# Altium PCB bingdundun.pcbdoc
Units mm, origin at the board's own origin, x right, y up, seen from the top; angles counter-clockwise.
Board outline 89.71 x 96.66 mm, 2 copper layers (Top Layer, Bottom Layer); 8 components, 9 nets, 0 pads, 0 vias.
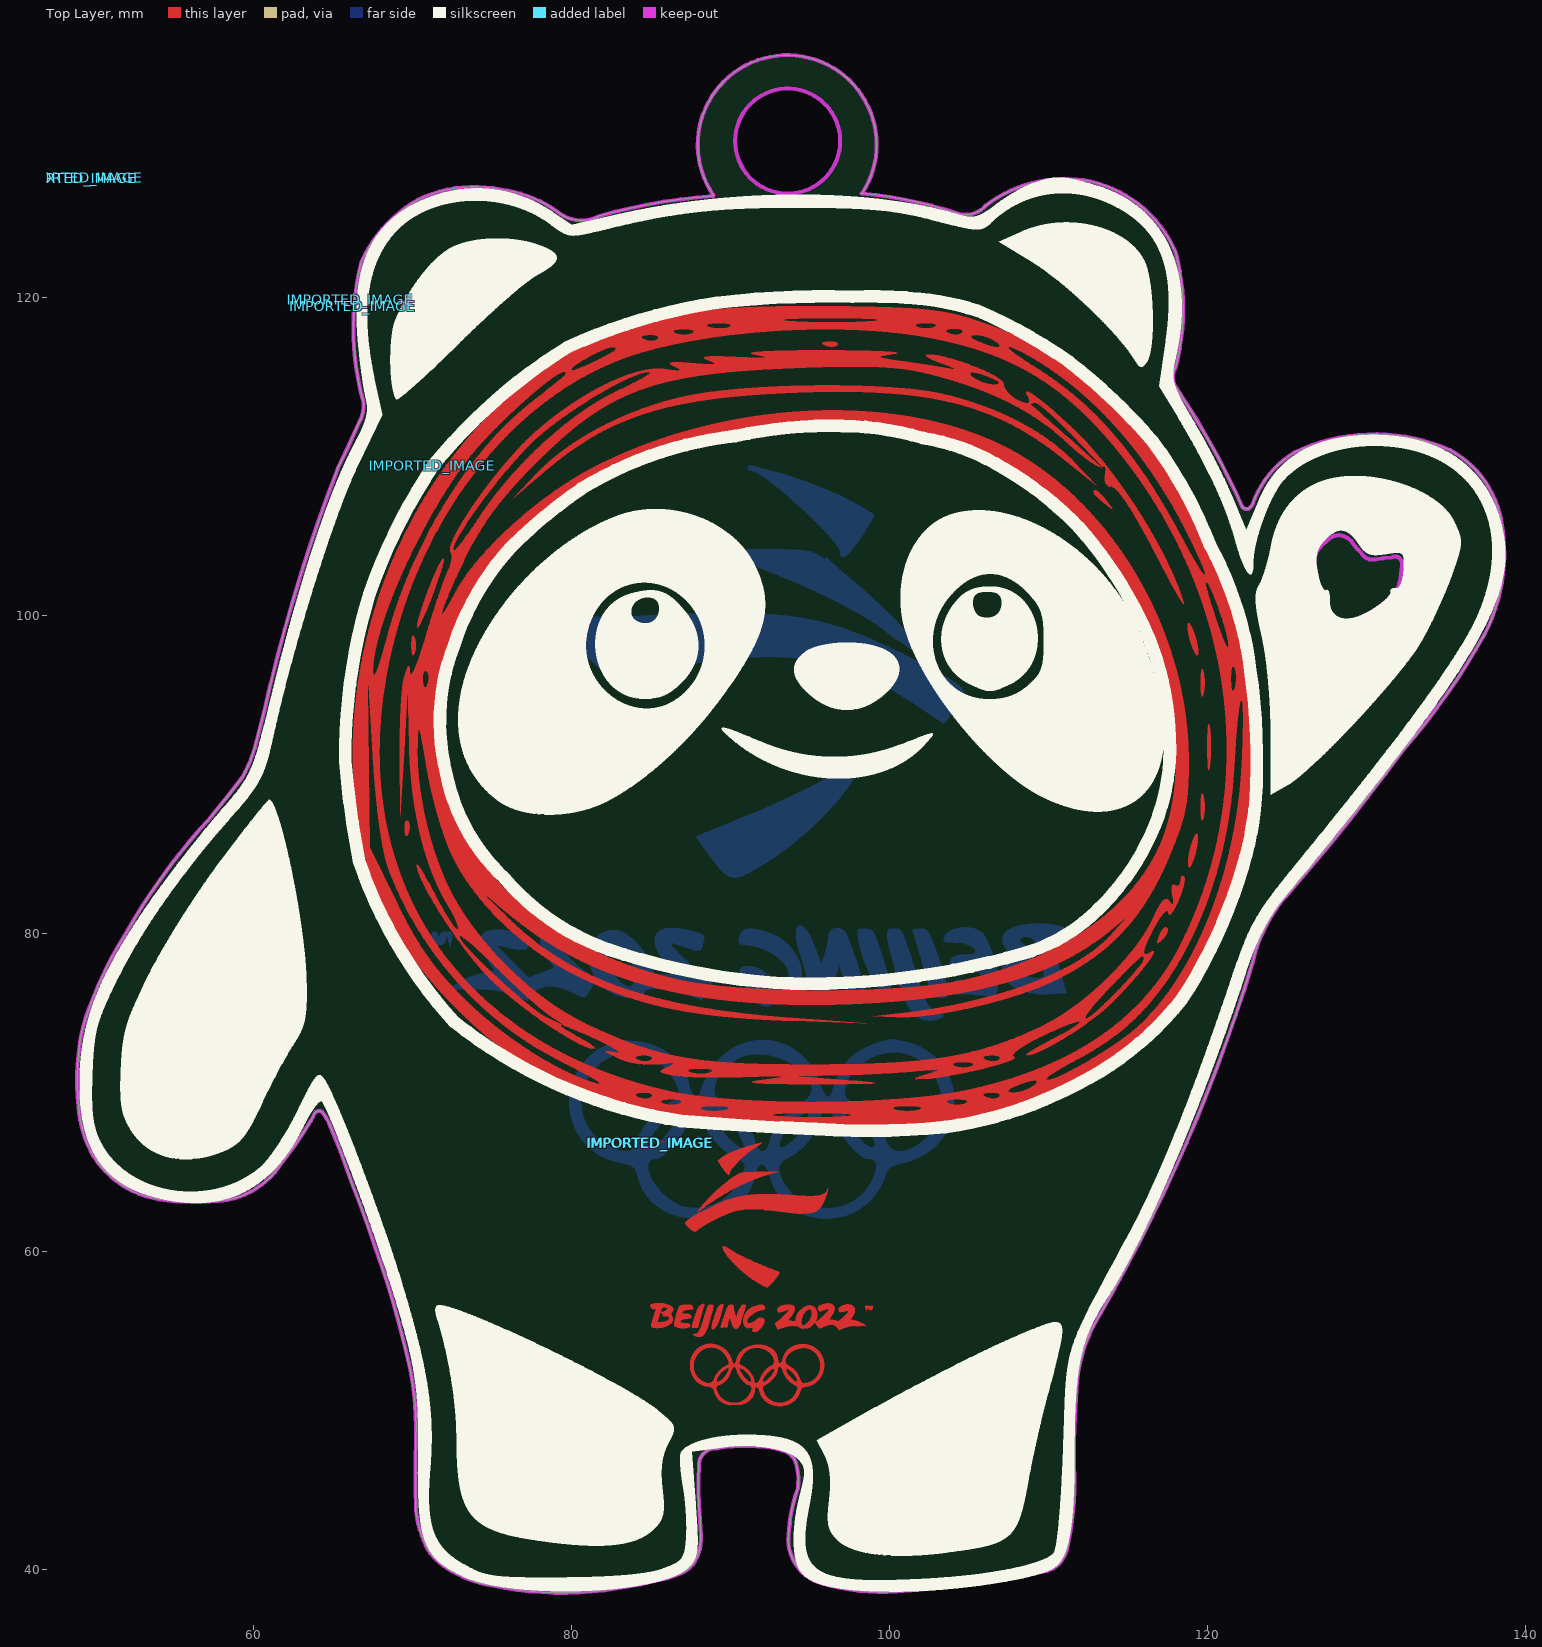
[diagram p0: Top Layer view]
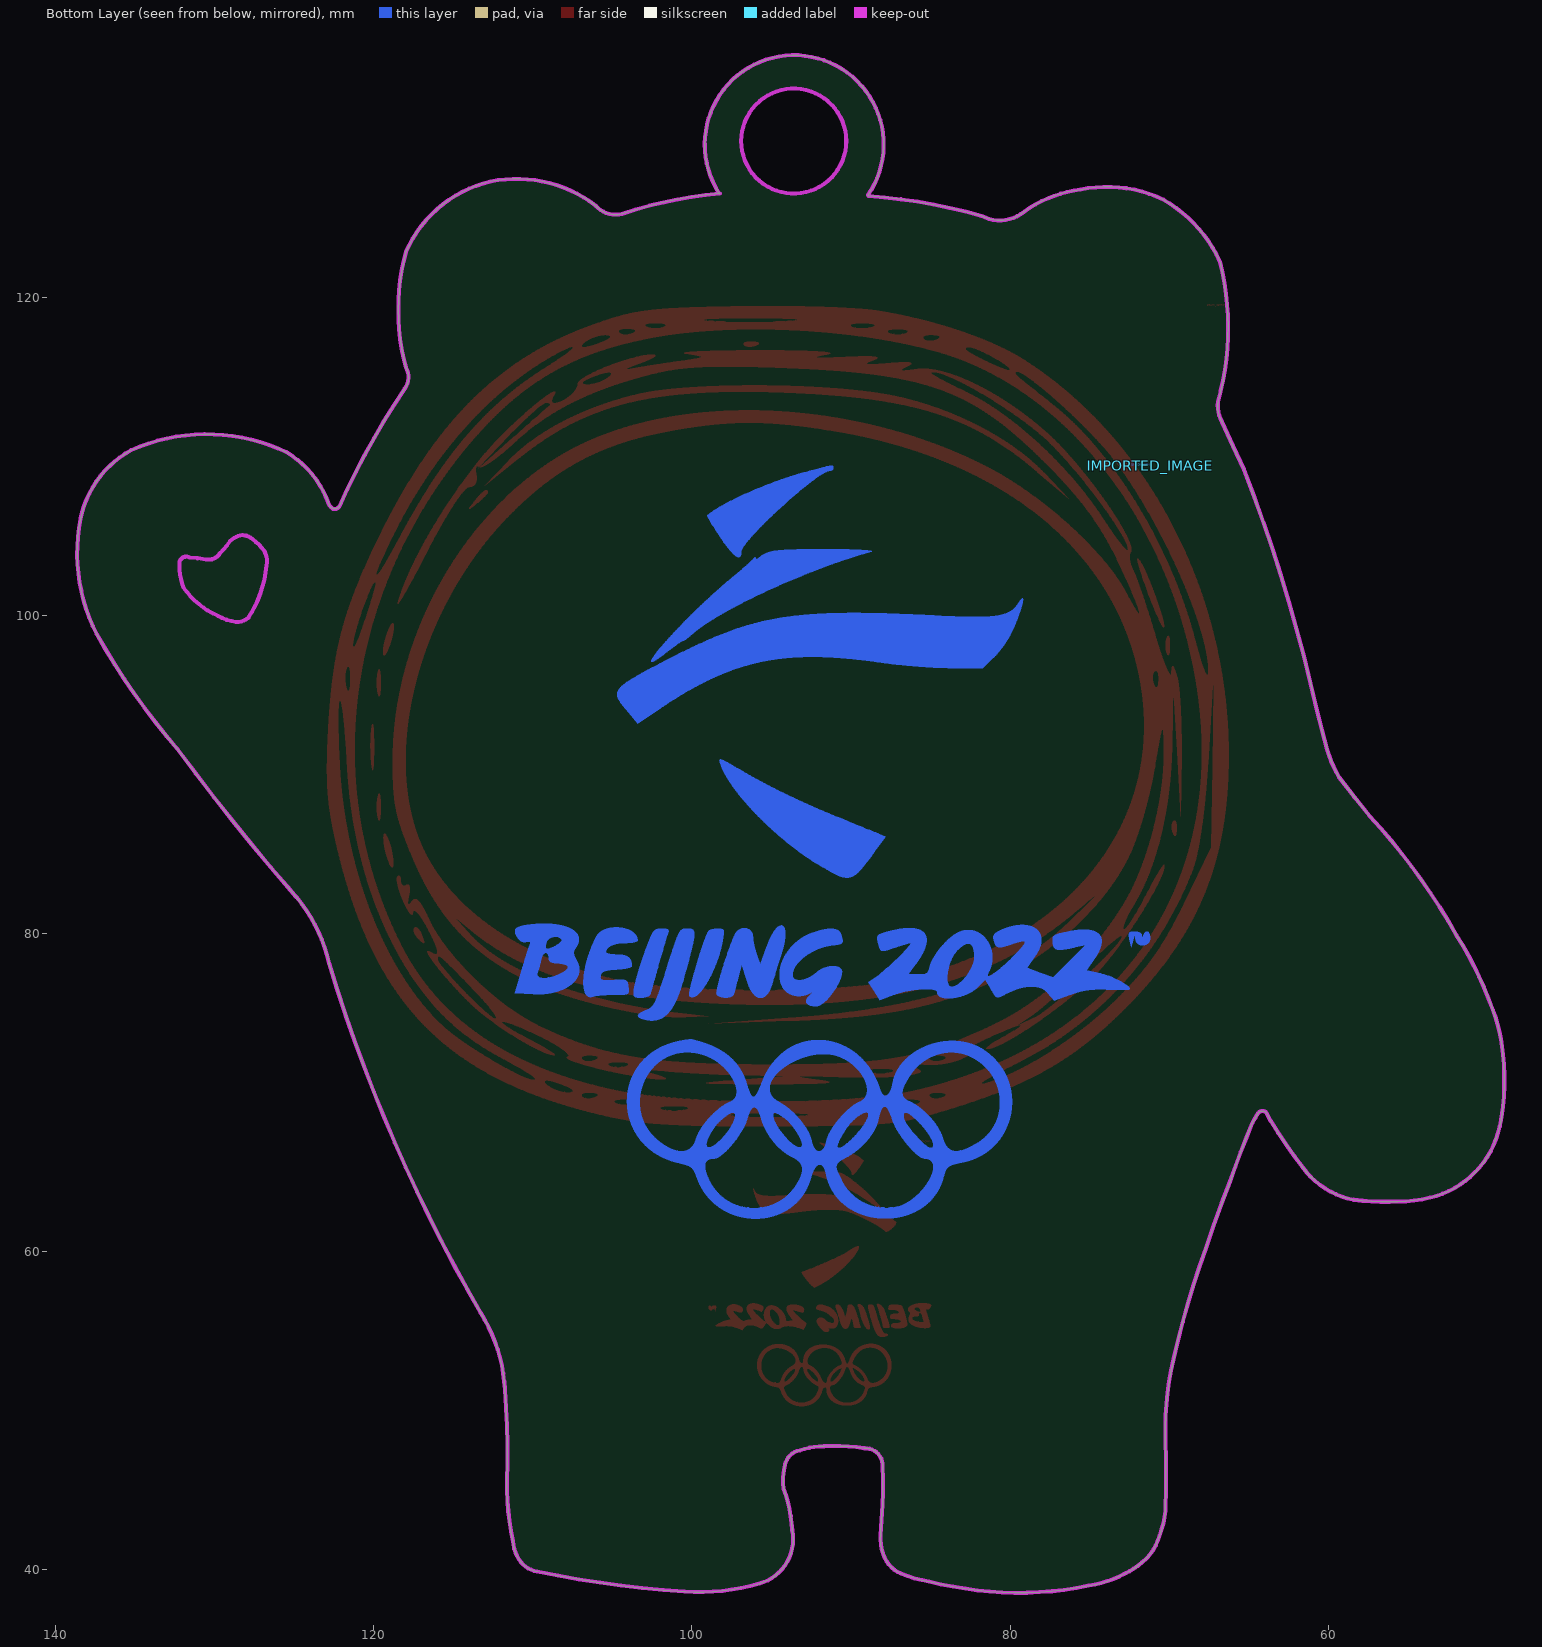
[diagram p1: Bottom Layer view, seen from below]

## Layer stack, top to bottom
Top Solder: solder mask 0.0102, Solder Resist, Dk 3.5
Top Layer: signal copper 0.0356
Dielectric1: dielectric 0.32, FR-4, Dk 4.8
Bottom Layer: signal copper 0.0356
Bottom Solder: solder mask 0.0102, Solder Resist, Dk 3.5

## Board outline
56.137,63.143 ccw(c56.409,78.881) 58.423,63.27 ccw(c57.472,68.252) 61.598,65.302 ccw(c28.098,90.773) 63.63,68.223 cw(c75.253,62.729) 63.884,68.731 cw(c64.138,68.508) 64.392,68.731 cw(c57.416,64.114) 64.773,68.096 cw(c14.882,47.065) 66.17,64.413 cw(c-1.568,37.408) 67.694,60.222 cw(c13.377,40.633) 69.726,53.237 cw(c51.443,48.859) 70.234,48.284 ccw(c172.977,45.998) 70.234,43.712 ccw(c77.069,44.514) 70.742,41.807 ccw(c73.313,42.696) 71.504,40.664 ccw(c74.71,43.892) 72.774,39.775 ccw(c76.059,45.82) 75.06,39.013 ccw(c79.49,60.356) 81.283,38.632 ccw(c78.755,65.543) 85.093,39.267 ccw(c83.813,47.11) 86.871,39.775 ccw(c86.122,41.548) 87.76,40.537 ccw(c85.377,41.956) 88.141,42.188 ccw(c55.62,40.976) 88.014,44.093 cw(c120.762,45.299) 88.014,46.506 cw(c89.097,46.566) 89.157,47.649 cw(c91.066,34.921) 91.697,47.776 cw(c91.662,42.871) 93.221,47.522 cw(c92.996,46.361) 94.11,46.76 cw(c90.236,45.631) 94.237,45.109 ccw(c102.74,41.984) 93.695,42.499 ccw(c96.535,41.931) 95.761,39.14 ccw(c99.605,52.715) 100.46,38.632 ccw(c95.944,106.072) 109.731,39.902 ccw(c109.479,41.517) 110.874,40.664 ccw(c108.795,41.992) 111.255,41.807 ccw(c93.673,45.489) 111.636,45.617 cw(c158.876,47.426) 111.763,51.332 cw(c121.553,50.894) 113.287,56.158 ccw(c23.1,108.296) 122.818,78.156 122.812,78.129 cw(c132.316,76.035) 125.225,82.701 ccw(c13.049,179.731) 132.337,91.591 ccw(c99.243,120.216) 137.417,98.83 ccw(c127.571,103.903) 138.433,106.069 ccw(c132.202,104.814) 135.258,110.387 ccw(c130.506,99.692) 125.479,110.26 ccw(c128.699,104.931) 122.812,106.958 cw(c122.213,107.302) 122.558,106.704 cw(c122.467,107.068) 122.177,106.831 ccw(c75.892,86.027) 118.061,114.255 cw(c118.998,114.979) 117.986,115.594 ccw(c104.349,119.213) 117.986,122.833 ccw(c110.912,119.768) 112.652,127.278 ccw(c111.011,119.315) 106.048,125.754 cw(c104.806,126.851) 104.397,125.246 ccw(c95.691,98.955) 98.251,126.531 98.276,126.515 ccw(c93.572,129.597) 88.937,126.412 88.913,126.377 ccw(c91.753,89.495) 81.791,125.119 cw(c80.648,127.251) 79.124,125.373 ccw(c74.646,119.201) 75.568,126.77 ccw(c73.891,118.856) 70.361,126.135 ccw(c74.676,118.63) 66.803,122.23 ccw(c83.586,118.076) 66.932,113.435 cw(c64.913,113.178) 66.678,112.165 cw(c-97.62,185.896) 65.296,109.16 65.297,109.159 ccw(c164.277,70.92) 60.709,94.004 cw(c-28.939,116.305) 60.074,91.591 cw(c52.792,93.659) 59.312,89.813 cw(c-18.114,148.98) 57.407,87.4 ccw(c87.194,59.954) 51.946,79.907 ccw(c72.062,67.215) 49.66,75.208 ccw(c58.839,71.653) 49.025,72.414 ccw(c64.049,70.763) 49.025,69.112 ccw(c56.716,69.708) 49.787,66.318 ccw(c55.006,69.181) 53.597,63.397 ccw(c55.95,74.1)
cut-out: 93.602,126.516 cw(c93.602,129.818) 90.3,129.818 cw(c93.602,129.818) 93.602,133.12 cw(c93.602,129.818) 96.904,129.818 cw(c93.602,129.818)

## Design rules (kind name [scope] priority, off if disabled: settings)
Clearance [All] p1: gap=0.254 ignorepadtopadclearanceinfootprint=FALSE except(0: Arc-Hole Track-Hole SMDPad-Hole THPad-Hole Via-Hole Fill-Hole Poly-Hole Region-Hole Text-Hole)
PolygonConnect [All] p1: connectstyle=Relief reliefconductorwidth=0.254 reliefentries=4 polygonreliefangle="90 Angle" airgapwidth=0.254
RoutingVias [All] p1: holewidth=0.711 width=1.27 viastyle="Through Hole" minholewidth=0.711 minwidth=1.27 maxholewidth=0.711 maxwidth=1.27
SolderMaskExpansion [All] p1: expansion=0.102 istentingtop=FALSE
Width [All] p1: maxlimit=0.254 minlimit=0.254 preferedwidth=0.254
30 further rules are at their usual default settings.

## Components (designator, comment, footprint, x,y, rotation, side; value= is the part's Value field where it differs from the comment)
IMPORTED_IMAGE "Comment" IMPORTED_IMAGE#1 71.247,109.396 r0 top
IMPORTED_IMAGE "Comment" IMPORTED_IMAGE#2 71.198,109.41 r0 bottom
IMPORTED_IMAGE "Comment" IMPORTED_IMAGE#1 48.737,127.478 r0 top
IMPORTED_IMAGE "Comment" IMPORTED_IMAGE#1 84.945,66.812 r0 top
IMPORTED_IMAGE "Comment" IMPORTED_IMAGE#1 66.118,119.849 r0 top
IMPORTED_IMAGE "Comment" IMPORTED_IMAGE#1 49.086,127.524 r0 top
IMPORTED_IMAGE "Comment" IMPORTED_IMAGE#3 84.993,66.863 r0 top
IMPORTED_IMAGE "Comment" IMPORTED_IMAGE#4 66.261,119.444 r0 top

## Footprints (in the part's own frame and the unit in brackets; to place one, negate y for a bottom-side part, rotate by r counter-clockwise, add the part's x,y. Pads: shape width x height; smd on the part's side, far side on the other; paste and mask are expansions set on the pad)
IMPORTED_IMAGE#1 [mm]
IMPORTED_IMAGE#2 [mm]
  Top Layer region: 3524 vertices and 9 holes, not listed, extent 8.678,36.06 32.887,47.328
  Top Layer region: 385 vertices and 0 holes, not listed, extent 28.652,29.099 32.193,34.878
  Top Layer region: 941 vertices and 0 holes, not listed, extent 19.333,29.105 23.297,33.983
  Top Layer region: 2339 vertices and 1 holes, not listed, extent 1.272,28.866 17.705,33.642
  Top Layer region: 621 vertices and 0 holes, not listed, extent 22.929,28.901 27.259,33.456
  Top Layer region: 296 vertices and 0 holes, not listed, extent 30.271,29.099 32.473,33.446
  Top Layer region: 290 vertices and 0 holes, not listed, extent 26.793,29.101 28.981,33.405
  Top Layer region: 840 vertices and 0 holes, not listed, extent 32.217,29.021 35.625,33.4
  Top Layer region: 794 vertices and 2 holes, not listed, extent 35.879,28.787 39.95,33.23
  Top Layer region: 340 vertices and 0 holes, not listed, extent 0,29.28 1.336,30.275
  Top Layer region: 524 vertices and 0 holes, not listed, extent 16.63,18.465 27.07,25.893
  Top Layer region: 858 vertices and 0 holes, not listed, extent 7.989,8.342 33.502,16.21
  Top Layer region: 727 vertices and 0 holes, not listed, extent 17.502,5.243 31.359,12.329
  Top Layer region: 394 vertices and 0 holes, not listed, extent 19.91,-0.01 27.842,5.746
IMPORTED_IMAGE#3 [mm]
  Top Layer region: 1616 vertices and 9 holes, not listed, extent 2.471,-16.567 10.907,-12.651
  Top Layer region: 224 vertices and 0 holes, not listed, extent 2.684,-12.209 3.935,-10.192
  Top Layer region: 450 vertices and 0 holes, not listed, extent 5.821,-11.901 7.195,-10.195
  Top Layer region: 1204 vertices and 1 holes, not listed, extent 7.831,-11.782 13.514,-10.111
  Top Layer region: 3.903,-11.744 3.896,-11.744 3.888,-11.743 3.881,-11.741 3.874,-11.738 3.868,-11.733 3.862,-11.728 3.856,-11.722 3.851,-11.716 3.846,-11.708 3.842,-11.699 3.838,-11.689 3.834,-11.677 3.831,-11.665 3.828,-11.652 3.826,-11.638 3.824,-11.622 3.823,-11.606 3.823,-11.588 3.822,-11.57 3.823,-11.564 3.823,-11.558 3.824,-11.551 3.825,-11.543 3.826,-11.535 3.828,-11.526 3.83,-11.516 3.834,-11.494 3.84,-11.47 3.846,-11.443 3.854,-11.414 3.862,-11.383 3.871,-11.35 3.88,-11.316 3.891,-11.279 3.902,-11.242 3.913,-11.203 3.925,-11.163 3.938,-11.122 3.951,-11.081 3.964,-11.038 3.978,-10.996 3.992,-10.953 4.006,-10.91 4.021,-10.867 4.035,-10.824 4.05,-10.782 4.064,-10.74 4.079,-10.699 4.093,-10.659 4.108,-10.62 4.122,-10.582 4.129,-10.563 4.136,-10.545 4.142,-10.528 4.149,-10.51 4.156,-10.493 4.162,-10.477 4.169,-10.461 4.181,-10.435 4.193,-10.41 4.207,-10.385 4.222,-10.362 4.239,-10.339 4.255,-10.318 4.273,-10.298 4.291,-10.279 4.309,-10.261 4.328,-10.245 4.347,-10.229 4.366,-10.215 4.385,-10.203 4.404,-10.192 4.422,-10.183 4.44,-10.175 4.457,-10.168 4.474,-10.164 4.49,-10.161 4.505,-10.16 4.518,-10.161 4.531,-10.163 4.542,-10.168 4.552,-10.174 4.561,-10.183 4.567,-10.193 4.572,-10.206 4.575,-10.221 4.576,-10.238 4.574,-10.257 4.57,-10.279 4.564,-10.303 4.532,-10.412 4.474,-10.613 4.399,-10.874 4.354,-11.031 4.346,-11.058 4.338,-11.085 4.329,-11.111 4.321,-11.137 4.312,-11.163 4.303,-11.188 4.293,-11.213 4.283,-11.237 4.274,-11.261 4.264,-11.285 4.253,-11.308 4.243,-11.331 4.233,-11.353 4.222,-11.375 4.211,-11.396 4.201,-11.417 4.19,-11.437 4.179,-11.457 4.168,-11.476 4.157,-11.495 4.146,-11.513 4.134,-11.531 4.123,-11.548 4.112,-11.564 4.101,-11.58 4.09,-11.595 4.079,-11.609 4.068,-11.623 4.057,-11.636 4.046,-11.649 4.036,-11.661 4.025,-11.672 4.015,-11.682 4.004,-11.692 3.994,-11.7 3.984,-11.708 3.974,-11.716 3.964,-11.722 3.955,-11.728 3.946,-11.733 3.937,-11.737 3.928,-11.74 3.919,-11.742 3.911,-11.744 3.903,-11.744
  Top Layer region: 320 vertices and 0 holes, not listed, extent 4.409,-11.697 5.968,-10.192
  Top Layer region: 328 vertices and 0 holes, not listed, extent 1.483,-11.672 2.666,-10.193
  Top Layer region: 258 vertices and 2 holes, not listed, extent -0.022,-11.657 1.424,-10.095
  Top Layer region: 2.783,-11.649 2.749,-11.649 2.719,-11.648 2.692,-11.646 2.669,-11.644 2.65,-11.641 2.633,-11.637 2.619,-11.632 2.608,-11.625 2.6,-11.617 2.594,-11.607 2.59,-11.595 2.589,-11.582 2.589,-11.566 2.591,-11.549 2.594,-11.529 2.599,-11.506 2.604,-11.482 2.61,-11.456 2.617,-11.429 2.625,-11.4 2.633,-11.371 2.641,-11.34 2.65,-11.308 2.659,-11.276 2.669,-11.242 2.679,-11.208 2.69,-11.173 2.701,-11.138 2.712,-11.102 2.724,-11.066 2.735,-11.03 2.747,-10.993 2.759,-10.956 2.772,-10.92 2.784,-10.883 2.797,-10.847 2.809,-10.811 2.822,-10.775 2.834,-10.74 2.847,-10.706 2.859,-10.672 2.872,-10.639 2.884,-10.606 2.896,-10.575 2.908,-10.545 2.92,-10.516 2.931,-10.488 2.943,-10.461 2.952,-10.44 2.963,-10.42 2.975,-10.4 2.989,-10.38 3.003,-10.361 3.018,-10.341 3.035,-10.323 3.052,-10.305 3.069,-10.287 3.087,-10.27 3.106,-10.254 3.124,-10.239 3.143,-10.225 3.162,-10.211 3.181,-10.199 3.2,-10.188 3.218,-10.177 3.236,-10.168 3.253,-10.161 3.27,-10.154 3.286,-10.149 3.301,-10.146 3.315,-10.144 3.328,-10.144 3.339,-10.145 3.35,-10.148 3.359,-10.153 3.366,-10.16 3.372,-10.169 3.376,-10.18 3.377,-10.193 3.377,-10.208 3.373,-10.223 3.36,-10.267 3.339,-10.336 3.311,-10.427 3.277,-10.535 3.239,-10.658 3.202,-10.776 3.187,-10.822 3.168,-10.884 3.149,-10.945 3.131,-11.005 3.114,-11.064 3.097,-11.121 3.082,-11.176 3.067,-11.228 3.054,-11.278 3.042,-11.325 3.031,-11.369 3.021,-11.408 3.013,-11.443 3.007,-11.474 3.002,-11.5 2.999,-11.52 2.998,-11.535 2.998,-11.543 2.998,-11.55 2.997,-11.558 2.996,-11.565 2.994,-11.571 2.993,-11.578 2.991,-11.584 2.988,-11.589 2.985,-11.595 2.982,-11.6 2.978,-11.605 2.974,-11.609 2.969,-11.613 2.964,-11.617 2.959,-11.621 2.953,-11.625 2.946,-11.628 2.939,-11.631 2.932,-11.633 2.924,-11.636 2.915,-11.638 2.906,-11.64 2.896,-11.642 2.886,-11.643 2.875,-11.645 2.864,-11.646 2.852,-11.647 2.839,-11.647 2.826,-11.648 2.812,-11.648 2.798,-11.649 2.783,-11.649
  Top Layer region: 13.583,-10.445 13.538,-10.604 13.503,-10.429 13.498,-10.403 13.494,-10.379 13.491,-10.357 13.49,-10.339 13.49,-10.322 13.492,-10.308 13.496,-10.296 13.501,-10.286 13.508,-10.277 13.517,-10.27 13.528,-10.265 13.541,-10.261 13.557,-10.258 13.575,-10.256 13.595,-10.255 13.618,-10.255 13.648,-10.257 13.677,-10.261 13.702,-10.269 13.725,-10.278 13.744,-10.29 13.759,-10.304 13.769,-10.318 13.773,-10.334 13.774,-10.355 13.777,-10.37 13.779,-10.379 13.783,-10.382 13.788,-10.379 13.794,-10.37 13.801,-10.355 13.81,-10.334 13.819,-10.313 13.83,-10.296 13.841,-10.281 13.853,-10.27 13.866,-10.263 13.878,-10.258 13.89,-10.257 13.902,-10.259 13.913,-10.263 13.924,-10.271 13.933,-10.281 13.941,-10.295 13.948,-10.311 13.953,-10.33 13.957,-10.351 13.958,-10.375 13.956,-10.4 13.95,-10.424 13.941,-10.448 13.93,-10.47 13.916,-10.49 13.9,-10.508 13.882,-10.522 13.863,-10.531 13.826,-10.54 13.796,-10.538 13.775,-10.525 13.768,-10.503 13.766,-10.49 13.763,-10.481 13.757,-10.473 13.749,-10.468 13.74,-10.466 13.729,-10.467 13.717,-10.47 13.704,-10.477 13.691,-10.482 13.679,-10.483 13.668,-10.479 13.658,-10.471 13.649,-10.459 13.642,-10.443 13.637,-10.424 13.635,-10.401 13.634,-10.388 13.632,-10.376 13.631,-10.367 13.629,-10.36 13.627,-10.355 13.625,-10.352 13.622,-10.352 13.619,-10.353 13.615,-10.357 13.612,-10.363 13.608,-10.371 13.604,-10.382 13.599,-10.394 13.594,-10.409 13.589,-10.426 13.583,-10.445
  Top Layer region: 262 vertices and 0 holes, not listed, extent 4.519,-9.135 8.09,-6.52
  Top Layer region: 629 vertices and 0 holes, not listed, extent 2.176,-5.594 11.147,-2.887
  Top Layer region: 220 vertices and 0 holes, not listed, extent 2.947,-4.35 8.035,-1.837
  Top Layer region: 208 vertices and 0 holes, not listed, extent 4.201,-2.015 6.996,0.001
IMPORTED_IMAGE#4 [mm]
  Top Layer region: 2499 vertices and 23 holes, not listed, extent 0,-51.551 56.681,0
  Top Layer region: 10546 vertices and 11 holes, not listed, extent 2.959,-48.905 52.544,-2.782
  Top Layer region: 50.599,-40.037 50.595,-40.037 50.59,-40.036 50.586,-40.034 50.583,-40.032 50.58,-40.029 50.577,-40.025 50.575,-40.021 50.573,-40.015 50.572,-40.01 50.571,-40.003 50.57,-39.992 50.571,-39.979 50.572,-39.965 50.574,-39.949 50.577,-39.932 50.581,-39.912 50.586,-39.892 50.592,-39.869 50.599,-39.846 50.607,-39.82 50.616,-39.793 50.625,-39.764 50.636,-39.733 50.647,-39.701 50.659,-39.667 50.672,-39.632 50.686,-39.595 50.696,-39.569 50.71,-39.533 50.724,-39.499 50.739,-39.465 50.754,-39.433 50.769,-39.402 50.785,-39.371 50.801,-39.342 50.817,-39.315 50.833,-39.288 50.849,-39.263 50.866,-39.239 50.882,-39.216 50.899,-39.194 50.915,-39.175 50.932,-39.156 50.948,-39.139 50.965,-39.123 50.981,-39.109 50.997,-39.097 51.013,-39.086 51.029,-39.076 51.045,-39.068 51.06,-39.062 51.075,-39.058 51.09,-39.055 51.104,-39.054 51.118,-39.055 51.132,-39.058 51.145,-39.062 51.157,-39.069 51.169,-39.077 51.181,-39.088 51.186,-39.093 51.192,-39.099 51.196,-39.106 51.201,-39.112 51.205,-39.119 51.209,-39.126 51.212,-39.134 51.215,-39.141 51.218,-39.149 51.22,-39.157 51.222,-39.166 51.224,-39.174 51.225,-39.183 51.226,-39.192 51.227,-39.201 51.228,-39.21 51.228,-39.22 51.228,-39.23 51.227,-39.24 51.226,-39.25 51.225,-39.26 51.224,-39.271 51.222,-39.281 51.22,-39.292 51.218,-39.303 51.215,-39.314 51.212,-39.325 51.209,-39.337 51.205,-39.348 51.201,-39.36 51.197,-39.372 51.193,-39.383 51.188,-39.395 51.183,-39.407 51.178,-39.419 51.173,-39.432 51.167,-39.444 51.161,-39.456 51.154,-39.469 51.148,-39.481 51.141,-39.494 51.134,-39.507 51.126,-39.519 51.119,-39.532 51.111,-39.545 51.103,-39.558 51.094,-39.571 51.086,-39.583 51.077,-39.596 51.067,-39.609 51.058,-39.622 51.048,-39.635 51.039,-39.648 51.028,-39.661 51.018,-39.674 51.007,-39.686 50.997,-39.699 50.986,-39.712 50.974,-39.725 50.963,-39.737 50.951,-39.75 50.939,-39.763 50.927,-39.775 50.914,-39.788 50.888,-39.814 50.862,-39.839 50.838,-39.862 50.815,-39.884 50.793,-39.904 50.772,-39.923 50.752,-39.941 50.733,-39.957 50.715,-39.972 50.698,-39.985 50.683,-39.997 50.668,-40.007 50.655,-40.016 50.642,-40.023 50.63,-40.029 50.62,-40.033 50.611,-40.036 50.602,-40.037 50.599,-40.037
  Top Layer region: 52.618,-35.261 52.596,-35.27 52.575,-35.27 52.557,-35.258 52.553,-35.253 52.549,-35.248 52.545,-35.242 52.541,-35.236 52.538,-35.228 52.535,-35.221 52.53,-35.208 52.526,-35.194 52.522,-35.178 52.519,-35.161 52.516,-35.144 52.514,-35.124 52.512,-35.104 52.51,-35.083 52.509,-35.06 52.509,-35.037 52.508,-35.012 52.508,-34.986 52.509,-34.96 52.51,-34.932 52.511,-34.904 52.513,-34.875 52.515,-34.844 52.517,-34.814 52.52,-34.782 52.523,-34.749 52.527,-34.716 52.531,-34.683 52.535,-34.648 52.54,-34.613 52.545,-34.578 52.551,-34.541 52.556,-34.505 52.563,-34.468 52.569,-34.43 52.576,-34.392 52.583,-34.354 52.591,-34.315 52.599,-34.276 52.607,-34.237 52.613,-34.21 52.619,-34.184 52.625,-34.157 52.631,-34.131 52.638,-34.104 52.644,-34.077 52.651,-34.05 52.678,-33.945 52.707,-33.845 52.736,-33.75 52.765,-33.66 52.795,-33.576 52.825,-33.499 52.855,-33.428 52.884,-33.365 52.913,-33.31 52.941,-33.262 52.968,-33.224 52.994,-33.195 53.018,-33.175 53.04,-33.165 53.061,-33.166 53.079,-33.177 53.083,-33.182 53.087,-33.187 53.091,-33.193 53.095,-33.2 53.098,-33.207 53.102,-33.215 53.106,-33.228 53.11,-33.242 53.114,-33.257 53.117,-33.274 53.12,-33.292 53.122,-33.311 53.124,-33.331 53.126,-33.353 53.127,-33.375 53.128,-33.399 53.128,-33.424 53.128,-33.449 53.127,-33.476 53.126,-33.503 53.125,-33.532 53.123,-33.561 53.121,-33.591 53.119,-33.622 53.116,-33.654 53.113,-33.686 53.109,-33.719 53.105,-33.753 53.101,-33.787 53.096,-33.822 53.091,-33.858 53.086,-33.894 53.08,-33.931 53.074,-33.968 53.067,-34.006 53.06,-34.044 53.053,-34.082 53.045,-34.121 53.037,-34.16 53.029,-34.199 53.023,-34.225 53.017,-34.252 53.011,-34.278 53.005,-34.305 52.999,-34.332 52.992,-34.358 52.985,-34.385 52.958,-34.49 52.93,-34.591 52.9,-34.686 52.871,-34.776 52.841,-34.86 52.811,-34.937 52.781,-35.007 52.752,-35.071 52.723,-35.126 52.695,-35.173 52.668,-35.212 52.643,-35.241 52.618,-35.261
  Top Layer region: 162 vertices and 0 holes, not listed, extent 3.265,-33.302 3.579,-32.335
  Top Layer region: 186 vertices and 0 holes, not listed, extent 53.299,-32.328 53.551,-30.641
  Top Layer region: 177 vertices and 0 holes, not listed, extent 53.72,-29.166 53.946,-26.27
  Top Layer region: 187 vertices and 0 holes, not listed, extent 53.299,-24.52 53.551,-22.833
  Top Layer region: 258 vertices and 0 holes, not listed, extent 52.483,-21.958 53.154,-19.93
  Top Layer region: 194 vertices and 0 holes, not listed, extent 3.688,-21.937 3.966,-20.732
  Top Layer region: 168 vertices and 0 holes, not listed, extent 4.055,-20.188 5.736,-15.868
  Top Layer region: 47.735,-12.747 47.729,-12.746 47.72,-12.743 47.71,-12.739 47.697,-12.732 47.683,-12.724 47.667,-12.714 47.649,-12.702 47.629,-12.689 47.607,-12.673 47.584,-12.656 47.558,-12.638 47.53,-12.617 47.501,-12.595 47.47,-12.571 47.436,-12.546 47.389,-12.509 47.338,-12.47 47.283,-12.427 47.255,-12.405 47.185,-12.349 47.117,-12.294 47.052,-12.239 46.989,-12.185 46.93,-12.132 46.873,-12.08 46.821,-12.03 46.772,-11.983 46.728,-11.938 46.689,-11.895 46.654,-11.856 46.625,-11.821 46.602,-11.789 46.585,-11.762 46.575,-11.739 46.571,-11.721 46.572,-11.707 46.572,-11.693 46.574,-11.68 46.575,-11.667 46.577,-11.656 46.58,-11.645 46.583,-11.635 46.586,-11.625 46.59,-11.617 46.594,-11.609 46.599,-11.602 46.604,-11.596 46.61,-11.59 46.616,-11.585 46.623,-11.581 46.63,-11.578 46.637,-11.575 46.645,-11.574 46.653,-11.573 46.661,-11.572 46.67,-11.573 46.68,-11.574 46.69,-11.576 46.7,-11.578 46.71,-11.581 46.721,-11.586 46.733,-11.59 46.745,-11.596 46.757,-11.602 46.769,-11.609 46.782,-11.617 46.796,-11.625 46.809,-11.634 46.823,-11.644 46.838,-11.654 46.852,-11.665 46.868,-11.677 46.883,-11.69 46.899,-11.703 46.915,-11.717 46.932,-11.732 46.949,-11.747 46.966,-11.763 46.983,-11.78 47.001,-11.797 47.02,-11.816 47.038,-11.834 47.057,-11.854 47.076,-11.874 47.096,-11.895 47.116,-11.916 47.136,-11.939 47.157,-11.962 47.177,-11.985 47.199,-12.009 47.22,-12.034 47.242,-12.06 47.264,-12.086 47.286,-12.113 47.309,-12.14 47.332,-12.169 47.355,-12.197 47.378,-12.227 47.402,-12.257 47.446,-12.313 47.487,-12.366 47.525,-12.415 47.552,-12.45 47.577,-12.483 47.6,-12.514 47.622,-12.542 47.642,-12.569 47.66,-12.594 47.676,-12.617 47.691,-12.638 47.704,-12.658 47.715,-12.675 47.724,-12.69 47.732,-12.704 47.738,-12.716 47.742,-12.726 47.744,-12.734 47.745,-12.74 47.744,-12.744 47.74,-12.747 47.735,-12.747
  Top Layer region: 1201 vertices and 0 holes, not listed, extent 10.068,-12.109 46.767,-4.986
  Top Layer region: 162 vertices and 0 holes, not listed, extent 29.528,-2.547 30.495,-2.233

## Nets (pads, with @x,y where several pads share a name; then routed paths per layer and width w, separated by ;. In a path a pad name is that pad's centre, name@x,y a point inside that pad or via, vN(x,y) a via of type N, cw(c..) or ccw(c..) an arc to the next point about the centre after c; other vN are vias at no path point)
S$60: 
S$116: 
S$150: 
S$152: 
S$337: 
S$360: 
S$363: 
S$396: 
S$399: 

## Keep-outs
Keep-Out Layer:
  circle w0.254: c93.602,129.818 r3.302
  lines w0.254: 65.296,109.16 ccw(c-97.633,185.903) 66.678,112.165 ccw(c64.913,113.178) 66.932,113.435 cw(c83.586,118.076) 66.803,122.23 cw(c74.676,118.63) 70.361,126.135 cw(c73.891,118.856) 75.568,126.77 cw(c74.646,119.201) 79.124,125.373 ccw(c80.648,127.251) 81.791,125.119 cw(c91.753,89.495) 88.913,126.377 ; 65.297,109.159 ccw(c164.276,70.92) 60.709,94.004 cw(c-28.94,116.305) 60.074,91.591 cw(c52.792,93.659) 59.312,89.813 cw(c-18.111,148.978) 57.407,87.4 ccw(c87.195,59.953) 51.946,79.907 ccw(c72.062,67.215) 49.66,75.208 ccw(c58.839,71.653) 49.025,72.414 ccw(c64.049,70.763) 49.025,69.112 ccw(c56.716,69.708) 49.787,66.318 ccw(c55.006,69.181) 53.597,63.397 ccw(c55.95,74.1) 56.137,63.143 ccw(c56.409,78.881) 58.423,63.27 ccw(c57.472,68.252) 61.598,65.302 ccw(c28.099,90.773) 63.63,68.223 cw(c75.258,62.726) 63.884,68.731 cw(c64.138,68.508) 64.392,68.731 cw(c57.416,64.114) 64.773,68.096 cw(c14.883,47.066) 66.17,64.413 cw(c-1.567,37.409) 67.694,60.222 cw(c13.377,40.633) 69.726,53.237 cw(c51.443,48.859) 70.234,48.284 ccw(c172.977,45.998) 70.234,43.712 ccw(c77.069,44.514) 70.742,41.807 ccw(c73.313,42.696) 71.504,40.664 ccw(c74.71,43.892) 72.774,39.775 ccw(c76.059,45.82) 75.06,39.013 ccw(c79.49,60.356) 81.283,38.632 ccw(c78.755,65.543) 85.093,39.267 ccw(c83.813,47.11) 86.871,39.775 ccw(c86.122,41.548) 87.76,40.537 ccw(c85.377,41.956) 88.141,42.188 ccw(c55.619,40.976) 88.014,44.093 cw(c120.763,45.299) 88.014,46.506 cw(c89.097,46.566) 89.157,47.649 cw(c91.066,34.92) 91.697,47.776 cw(c91.662,42.871) 93.221,47.522 cw(c92.996,46.361) 94.11,46.76 cw(c90.236,45.631) 94.237,45.109 ccw(c102.74,41.984) 93.695,42.499 ccw(c96.535,41.931) 95.761,39.14 ccw(c99.605,52.715) 100.46,38.632 ccw(c95.944,106.072) 109.731,39.902 ccw(c109.479,41.517) 110.874,40.664 ccw(c108.795,41.992) 111.255,41.807 ccw(c93.673,45.489) 111.636,45.617 cw(c158.876,47.426) 111.763,51.332 cw(c121.553,50.894) 113.287,56.158 ccw(c23.1,108.297) 122.818,78.156 ; 88.937,126.412 cw(c93.572,129.597) 98.276,126.515 ; 98.251,126.531 cw(c95.691,98.955) 104.397,125.246 ccw(c104.806,126.851) 106.048,125.754 cw(c111.011,119.315) 112.652,127.278 cw(c110.912,119.768) 117.986,122.833 cw(c104.349,119.213) 117.986,115.594 ccw(c118.998,114.979) 118.061,114.255 cw(c75.892,86.027) 122.177,106.831 ccw(c122.467,107.068) 122.558,106.704 ccw(c122.213,107.302) 122.812,106.958 cw(c128.699,104.93) 125.479,110.26 cw(c130.506,99.692) 135.258,110.387 cw(c132.202,104.814) 138.433,106.069 cw(c127.571,103.903) 137.417,98.83 cw(c99.243,120.216) 132.337,91.591 cw(c13.048,179.732) 125.225,82.701 ccw(c132.316,76.035) 122.812,78.129 ; 126.749,103.148 cw(c128.01,103.421) 126.876,104.037 cw(c129.654,102.02) 127.638,104.799 cw(c128.227,104.208) 128.654,104.926 cw(c128.235,103.885) 129.035,104.672 ccw(c132.92,107.264) 129.67,103.91 ccw(c130.374,104.327) 130.559,103.529 cw(c136.527,59.906) 131.575,103.656 cw(c131.773,103.253) 132.21,103.148 cw(c128.148,103.165) 131.956,101.751 cw(c127.665,104.761) 129.797,99.973 cw(c128.232,102.763) 128.654,99.592 cw(c128.589,100.667) 127.892,99.846 cw(c134.02,103.847) 126.876,102.259 cw(c135.427,103.934) 126.749,103.148

## Silkscreen, mask and mechanical layers (free items; w line width, h text height)
Top Overlay:
  lines w0.8: 65.789,90.829 ccw(c124.954,95.875) 66.678,84.479 ccw(c94.031,93.96) 72.647,74.446 ccw(c91.551,98.288) 86.871,68.223 ccw(c102.018,250.432) 95.38,67.715 ccw(c98.689,116.107) 103.508,67.842 ccw(c100.213,92.061) 111.255,70.255 ccw(c102.956,88.137) 118.367,75.843 ccw(c92.012,93.013) 122.177,84.098 ccw(c103.033,90.046) 123.066,89.305 ccw(c81.765,90.761) 122.685,96.544 ccw(c100.78,93.825) 120.145,104.418 ccw(c94.038,94.299) 116.589,110.895 ccw(c89.013,87.281) 111.255,115.975 ccw(c93.484,90.719) 105.54,119.15 ccw(c100.195,102.598) 101.857,119.912 ccw(c98.745,86.447) 97.666,120.039 ccw(c96.165,58.355) 89.157,119.658 ccw(c94.476,84.564) 79.759,116.864 ccw(c97.739,87.951) 71.377,109.498 ccw(c100.564,89.824) 67.313,101.37 ccw(c101.021,91.116) 65.789,90.829 ; 72.139,90.067 ccw(c84.241,92.487) 75.822,83.463 ccw(c87.327,93.287) 82.299,79.018 ccw(c95.554,117.964) 93.856,76.859 ccw(c94.87,126.019) 108.461,78.764 ccw(c105.433,89.206) 113.033,81.431 ccw(c102.542,92.471) 116.208,85.749 ccw(c104.389,91.731) 117.605,90.829 ccw(c99.737,91.809) 115.319,100.608 ccw(c94.131,89.603) 111.89,105.561 ccw(c96.305,90.517) 107.191,109.244 ccw(c99.759,97.152) 102.111,111.149 ccw(c96.849,93.388) 97.031,111.911 ccw(c96.332,83.33) 90.3,111.276 ccw(c92.945,87.786) 80.648,107.974 ccw(c99.408,80.808) 76.203,104.291 ccw(c88.894,92.802) 72.647,98.195 ccw(c85.25,93.327) 72.139,90.067